# Altium PCB HIVE_BOARD.PcbDoc (part 7 of 9)
Units mm, origin at the board's own origin, x right, y up, seen from the top; angles counter-clockwise.
Board outline 110 x 110 mm, 8 copper layers (Top, GND_1, Signal_1, GND_2, PWR, Signal_2, GND_3, Bottom), stack 1.6 mm thick; 674 components, 474 nets, 2528 pads, 2100 vias.
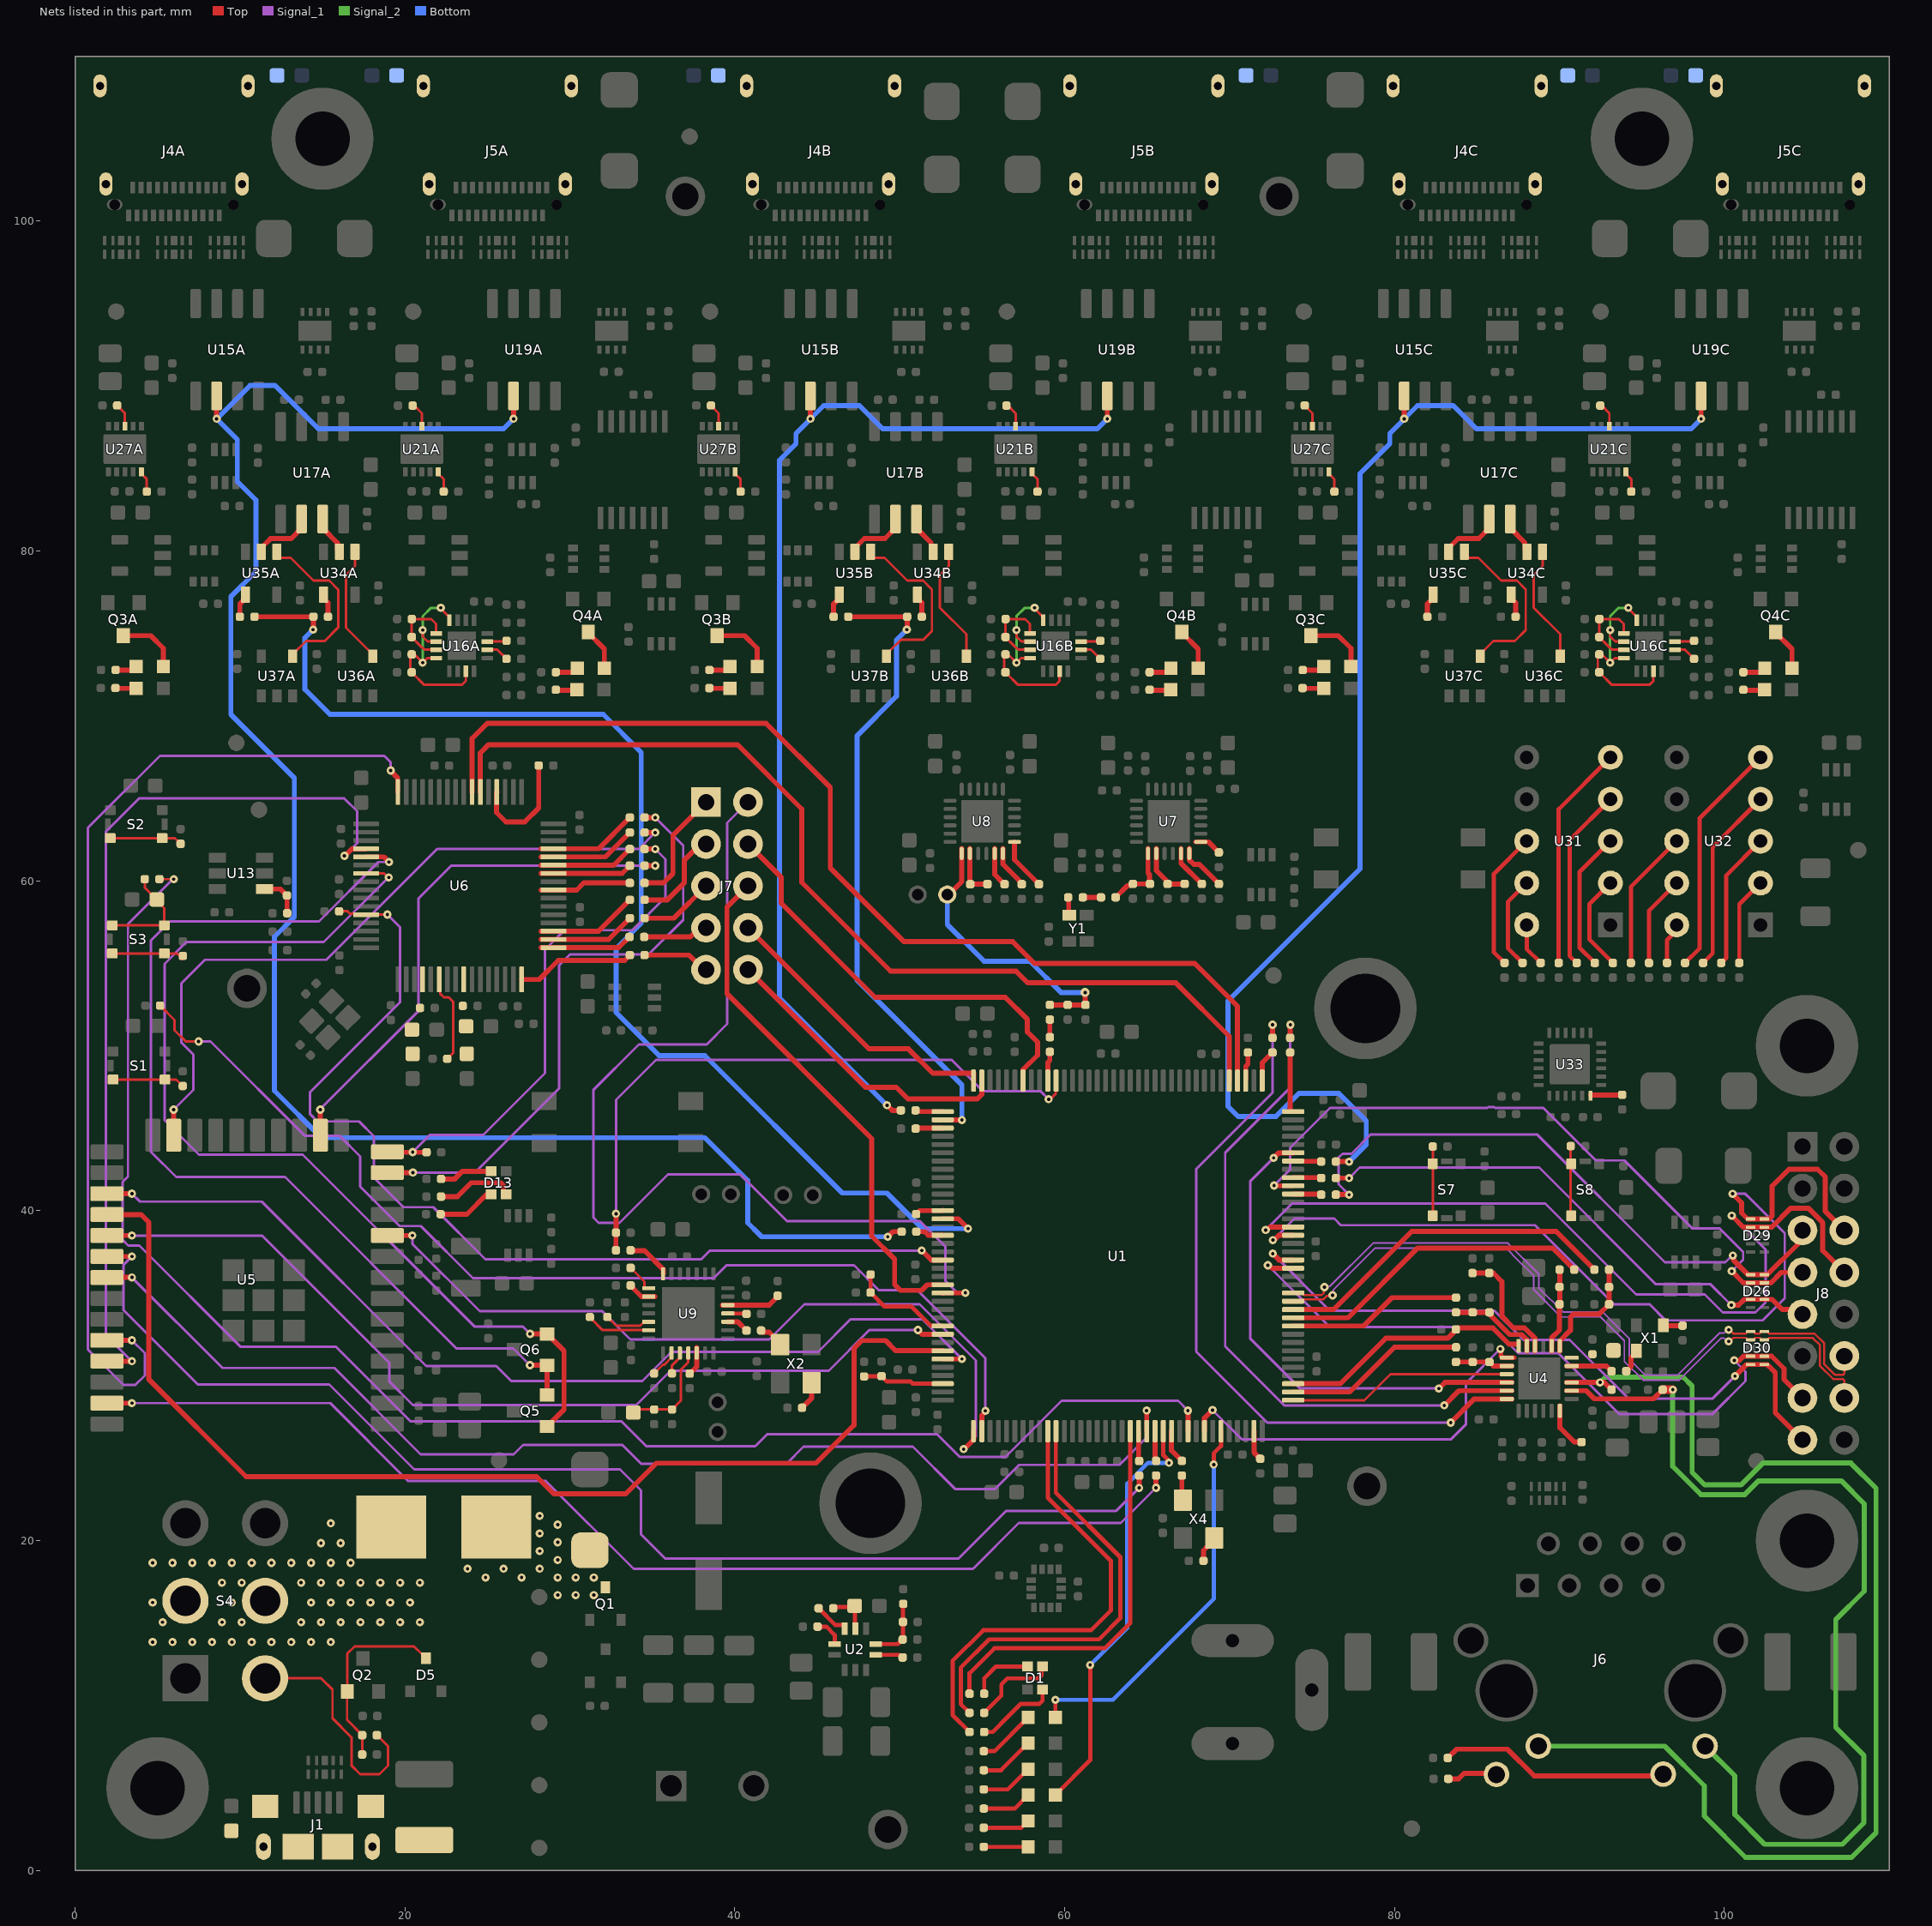
[diagram p13: the nets of this part, all layers, seen from the top]

## Via types
v1: diameter 0.5, hole 0.2, Top to Bottom, tented both sides, 1950 vias
v2: diameter 0.55, hole 0.2, Top to Bottom, tented both sides, 104 vias
v3: diameter 0.5, hole 0.2, Top to Bottom, 41 vias
v4: diameter 0.5, hole 0.2, Top to Bottom, tented bottom, 5 vias

## Nets (pads, with @x,y where several pads share a name; then routed paths per layer and width w, separated by ;. In a path a pad name is that pad's centre, name@x,y a point inside that pad or via, vN(x,y) a via of type N, cw(c..) or ccw(c..) an arc to the next point about the centre after c; other vN are vias at no path point) (continued)
MCU_LED_2: D24.K U1.24 | length 25.8
  Top w0.254: D24.K@59.433,4.577 61.552,6.696 v1@61.552,12.46 ; v1@61.528,12.454 v1@61.541,12.467 ; U1.24@65.976,26.639 65.976,25.184 66.268,24.893 66.268,24.776 v1(66.324,24.719)
  Bottom w0.254: v1(61.545,12.46) 63.795,14.71 63.795,23.457 65.058,24.719 v1(66.324,24.719)
MCU_LED_B: R1.2 U1.10 | length 28
  Top w0.254: R1.2@54.23,8.399 53.202,9.427 53.202,12.707 55.063,14.567 61.598,14.567 62.795,15.765 62.795,18.784 58.979,22.601 58.979,26.637 U1.10@58.976,26.639
MCU_LED_G: R2.2 U1.11 | length 26.8
  Top w0.254: R2.2@54.23,9.56 53.696,10.094 53.696,12.293 55.419,14.016 62.079,14.016 63.373,15.31 63.373,18.992 59.461,22.904 59.461,26.625 U1.11@59.476,26.639
MCU_LED_HB: D25.K U1.31 | length 23.6
  Top w0.254: D25.K@59.436,9.289 v1(59.436,10.351) ; v1(69.037,24.613) 69.037,25.294 69.476,25.733 U1.31@69.476,26.639
  Bottom w0.254: v1(59.436,10.351) 62.926,10.351 69.037,16.462 v1(69.037,24.613)
MCU_LED_R: R3.2 U1.20 | length 23.9
  Top w0.254: R3.2@54.23,10.721 54.23,11.966 55.737,13.473 62.433,13.473 63.976,15.016 U1.20@63.976,26.639
MCU_OSC_EN: R64.2 X4.1 | length 1.7
  Top w0.305: R64.2@68.414,18.776 68.414,19.41 68.666,19.662 69.063,20.06 X4.1@69.063,20.16
MCU_RST#: R8.2 U1.27 | length 97.5
  Top w0.152: R8.2@5.105,60.105 R8.2@5.114,60.105 v1@5.979,60.105
  Top w0.305: U1.27@67.476,26.639 v1@67.476,27.879
  Signal_1 w0.152: v1@5.923,60.105 3.209,57.391 3.209,42.073 2.895,41.758 2.895,38.212 3.217,37.89 3.901,37.89 10.023,31.767 15.805,31.767 20.347,27.226 33.142,27.226 34.637,25.731 41.236,25.731 41.948,26.442 52.269,26.442 53.641,25.07 56.407,25.07 59.815,28.478 66.877,28.478 v1(67.469,27.886)
  other v1: 5.983,60.101
MEZ_ADC1_N: D30.2 D30.9 J8.14 U1.49 | length 43.8
  Top w0.127: U1.49@73.851,34.514 74.382,34.514 74.505,34.637 75.688,34.637 75.881,34.831 76.198,34.831 v1(76.242,34.875) ; v1(100.253,32.078) 100.314,32.078 100.539,32.303 101.289,32.303 101.363,32.228 101.363,32.216 101.4,32.18 D30.2@101.582,32.18 101.765,32.18 101.802,32.216 101.802,32.228 101.876,32.303 102.124,32.303 102.198,32.228 102.198,32.216 102.235,32.18 D30.9@102.417,32.18 102.6,32.18 102.706,32.286 105.361,32.286 105.795,31.851 105.795,30.594 106.597,29.793 107.196,29.793 107.27,29.719 J8.14@107.27,28.65
  Signal_1 w0.102: v1(76.242,34.875) 76.302,34.935 76.302,35.216 78.827,37.741 86.745,37.741 87.493,36.993 88.437,36.049 88.437,35.213 90.087,33.563 92.489,33.563 93.007,33.045 93.931,32.121 93.931,30.87 95.071,29.73 97.269,29.73 99.816,32.277 99.969,32.277 100.168,32.078 v1(100.253,32.078)
MEZ_ADC1_P: D30.1 D30.10 J8.12 U1.50 | length 43.8
  Top w0.127: U1.50@73.851,35.014 74.382,35.014 74.505,34.891 75.582,34.891 75.702,35.011 75.702,35.328 v1(75.745,35.371) ; v1(100.253,32.781) 100.314,32.781 100.539,32.557 101.289,32.557 101.363,32.631 101.363,32.643 101.4,32.68 D30.1@101.582,32.68 101.765,32.68 101.802,32.643 101.802,32.631 101.876,32.557 102.124,32.557 102.198,32.631 102.198,32.643 102.235,32.68 D30.10@102.417,32.68 102.6,32.68 102.637,32.643 102.637,32.631 102.711,32.557 105.449,32.557 106.049,31.956 106.049,30.7 106.702,30.047 107.196,30.047 107.27,30.121 J8.12@107.27,31.19
  Signal_1 w0.102: v1(75.745,35.371) 75.805,35.431 76.086,35.431 78.701,38.046 86.871,38.046 88.741,36.176 88.741,35.34 90.213,33.868 92.616,33.868 93.438,33.045 94.236,32.247 94.236,30.996 95.197,30.035 97.143,30.035 99.689,32.582 99.969,32.582 100.168,32.781 v1(100.253,32.781)
MEZ_I2C_SCL: D30.4 D30.7 J8.13 U1.53 | length 42.3
  Top w0.305: v1(72.319,36.698) 72.385,36.698 72.569,36.514 U1.53@73.851,36.514 ; v1(100.592,30.931) 100.915,30.931 101.163,31.18 D30.4@101.582,31.18 D30.7@102.417,31.18 102.856,31.18 103.61,30.426 103.61,29.77 J8.13@104.73,28.65
  Signal_1 w0.152: v1(72.319,36.698) 76.069,32.949 85.908,32.949 87.497,31.36 89.934,31.36 93.628,27.666 99.265,27.666 101.272,29.674 101.272,30.251 v1(100.592,30.931)
MEZ_I2C_SDA: D30.5 D30.6 J8.15 U1.54 | length 41.3
  Top w0.305: v1(72.612,37.406) 73.001,37.017 73.849,37.017 U1.54@73.851,37.014 ; v1(100.64,29.978) 101.342,30.68 D30.5@101.582,30.68 D30.6@102.417,30.68 102.594,30.68 102.895,30.378 103.085,30.189 103.085,27.755 J8.15@104.73,26.11
  Signal_1 w0.152: v1(72.612,37.406) 76.071,33.947 86.051,33.947 87.819,32.179 90.622,32.179 94.201,28.601 99.263,28.601 v1(100.64,29.978)
MEZ_SPI_MISO: D26.2 D26.9 J8.7 U1.63 | length 42.3
  Top w0.305: v1(72.693,41.532) 72.708,41.517 73.849,41.517 U1.63@73.851,41.514 ; v1(100.44,36.339) 101.147,35.632 D26.2@101.582,35.632 D26.9@102.417,35.632 102.815,35.632 103.453,36.27 J8.7@104.73,36.27
  Signal_1 w0.152: v1(72.693,41.532) 73.662,42.502 73.662,43.821 75.146,45.304 76.08,46.239 85.622,46.239 85.678,46.295 86.032,46.295 86.088,46.239 89.018,46.239 92.205,43.051 93.927,43.051 98.039,38.939 99.694,38.939 101.133,37.5 101.133,37.031 v1(100.44,36.339)
MEZ_SPI_MOSI: D26.4 D26.7 J8.9 R173.2 | length 32.5
  Top w0.305: R173.2@76.441,41.986 v1@77.236,41.986 ; v1(100.416,34.284) 100.863,34.284 101.211,34.632 D26.4@101.582,34.632 D26.7@102.417,34.632 102.889,34.632 103.504,34.016 104.444,34.016 J8.9@104.73,33.73
  Signal_1 w0.152: v1(77.245,41.978) 77.885,42.618 88.766,42.618 95.84,35.544 99.156,35.544 v1(100.416,34.284)
MEZ_SPI_SCK: D26.1 D26.10 J8.5 R172.2 | length 37.4
  Top w0.305: R172.2@76.441,40.98 v1@77.236,40.98 ; v1(100.508,37.287) 100.555,37.24 100.555,37 101.423,36.132 D26.1@101.582,36.132 D26.10@102.417,36.132 102.603,36.132 104.444,37.972 104.444,38.524 J8.5@104.73,38.81
  Signal_1 w0.152: v1(77.245,40.971) 76.611,41.605 76.611,43.228 76.838,43.456 77.386,43.456 78.562,44.632 88.631,44.632 96.383,36.879 100.057,36.879 100.464,37.287 v1(100.508,37.287)
MEZ_UART_Rx: D29.1 D29.10 J8.6 U1.57 | length 57
  Top w0.305: v1(72.622,38.221) 72.688,38.221 72.979,38.512 73.849,38.512 U1.57@73.851,38.514 ; v1(100.498,41.028) 101.045,40.482 101.045,39.865 101.409,39.5 D29.1@101.582,39.5 D29.10@102.417,39.5 102.711,39.5 102.89,39.679 102.89,41.497 103.913,42.52 105.643,42.52 106.116,42.047 106.116,39.964 J8.6@107.27,38.81
  Signal_1 w0.152: v1(72.622,38.221) 73.923,39.522 76.341,39.522 76.736,39.127 88.514,39.127 93.3,34.341 95.446,34.341 96.432,33.355 102.313,33.355 103.563,34.605 103.652,34.694 103.652,38.638 101.556,40.734 101.262,41.028 v1(100.498,41.028)
MEZ_UART_Tx: D29.2 D29.9 J8.8 U1.58 | length 52
  Top w0.305: v1(72.185,38.835) 72.252,38.835 72.431,39.014 U1.58@73.851,39.014 ; v1(100.44,39.707) 101.147,39 D29.2@101.582,39 D29.9@102.417,39 102.856,39 104.015,40.16 105.076,40.16 105.961,39.275 105.961,37.579 J8.8@107.27,36.27
  Signal_1 w0.152: v1(72.185,38.835) 73.784,40.433 89.137,40.433 94.645,34.925 98.804,34.925 99.899,33.831 101.876,33.831 102.498,34.452 102.498,37.65 v1(100.44,39.707)
MODE0: R18.1 R53.1 R157.2 U4.8 | length 5.1
  Top w0.305: U4.8@89.519,31.496 89.519,32.293 89.999,32.773 R53.1@89.999,34.33 ; R53.1@90.013,34.33 90.013,35.384 R18.1@90.013,36.431
MODE1: R19.1 R58.1 R158.2 U4.7 | length 7.1
  Top w0.305: U4.7@90.019,31.496 90.019,32.107 90.663,32.751 90.663,33.553 90.841,33.731 92.403,33.731 92.901,34.229 92.905,34.229 R58.1@93.006,34.33 R158.2@93.004,35.379 93.004,36.429 R19.1@93.002,36.431
MODE2: R47.1 R60.1 R159.2 U4.11 | length 5.7
  Top w0.305: R47.1@83.721,33.845 R47.1@83.721,33.845 R159.2@85.752,33.843 R159.2@85.752,33.843 85.854,33.741 85.854,33.628 86.983,32.499 87.709,32.499 88.017,32.191 88.017,31.812 U4.11@88.019,31.809 U4.11@88.019,31.496
NetC4_1: C4.1 R8.1 S3.3 S3.4 | length 6.3
  Top w0.152: S3.4@2.258,57.305 S3.3@5.408,57.305 5.408,58.343 C4.1@4.992,58.759 ; R8.1@4.225,60.105 4.225,59.592 4.946,58.871 C4.1@4.959,58.871
NetC26_1: C26.1 R15.1 R26.2 U2.7 | length 3.9
  Top w0.254: U2.7@48.554,13.731 49.885,13.731 50.162,14.008 R15.1@50.176,14.008 50.194,14.026 50.194,16.152 R26.2@50.212,16.17
NetC37_1: C37.1 R24.2 U2.9 | length 2.8
  Top w0.254: R24.2@45.968,15.9 46.044,15.976 47.187,15.976 C37.1@47.263,16.052 47.283,16.032 47.283,14.676 U2.9@47.304,14.656
NetC47_2: C47.2 U9.9 | length 1.8
  Top w0.305: C47.2@33.623,35.473 33.724,35.372 33.767,35.372 34.341,34.798 U9.9@35.155,34.798
NetC48_2: C48.2 U9.25 | length 1.1
  Top w0.254: U9.25@39.579,33.778 39.85,33.778 39.855,33.773 40.68,33.773 C48.2@40.707,33.746
NetC54_2: C54.2 C56.2 U4.6
NetC80_1: C80.1 C81.2 L4.2 U6.4
NetC82_1: C82.1 C83.2 L6.2 U6.9
NetC86_1: C86.1 R7.2 R20.1 U9.18 | length 6.3
  Top w0.152: C86.1@33.844,27.765 34.032,27.952 R7.2@36.191,27.952 36.735,28.496 36.735,30.369 37.179,30.813 U9.18@37.179,31.377
NetC94_1: C94.1 R81.1 R84.2 U7.7 | length 4.5
  Top w0.305: C94.1@63.039,59.029 C94.1@63.09,58.978 ; C94.1@63.09,59.003 63.802,59.715 64.033,59.715 R81.1@64.135,59.817 R81.1@64.135,59.817 R84.2@65.171,59.819 ; U7.7@65.054,61.965 U7.7@65.054,61.663 65.054,60.473 65.136,60.391 R84.2@65.136,59.993
NetC94_2: C94.2 R82.1 | length 1.1
  Top w0.305: R82.1@61.099,59.003 61.112,58.991 62.188,58.991 C94.2@62.201,58.978
NetD1_1: D1.1 R1.1 | length 5
  Top w0.254: R1.1@55.119,8.399 55.633,8.399 56.556,9.322 57.345,10.111 58.477,10.111 58.656,10.289 D1.1@58.656,10.973
NetD1_2: D1.2 R2.1 | length 5.4
  Top w0.254: R2.1@55.119,9.56 56.159,10.6 56.159,11.287 56.52,11.648 58.409,11.648 58.583,11.822 58.583,12.301 D1.2@58.656,12.373
NetD1_4: D1.4 R3.1 | length 3.9
  Top w0.254: R3.1@55.119,10.721 55.119,11.657 55.836,12.373 D1.4@57.756,12.373
NetD3_1: D3.1 F1.2 Q1.3
  other v1: 29.263,16.697 30.356,16.697 31.45,16.697 24.888,17.765 27.076,17.765 29.263,17.765 30.356,17.765 31.45,17.765 23.795,18.299 25.982,18.299 28.169,18.299 29.263,18.833 28.169,19.367 29.263,19.9 28.169,20.434 29.263,20.968 28.169,21.502
NetD4_A: D4.A R11.2 | length 2.7
  Top w0.254: R11.2@55.095,1.435 D4.A@57.783,1.435
NetD5_3: D5.3 Q2.1 R13.1 R14.2 | length 11.7
  Top w0.152: R14.2@17.405,7.143 17.406,7.144 17.406,8.218 17.407,8.219 16.491,9.135 16.491,10.848 Q2.1@16.505,10.861 16.505,13.152 16.942,13.589 20.551,13.589 20.999,13.142 21.049,13.142 21.272,12.918 D5.3@21.272,12.868
NetD6_A: D6.A R25.1 | length 2.9
  Top w0.254: R25.1@55.093,2.596 57.372,2.596 D6.A@57.783,3.006
NetD13_1: D13.1 R40.1 | length 3
  Top w0.305: R40.1@22.192,41.928 23.023,41.928 23.49,42.395 D13.1@24.982,42.395
NetD13_2: D13.2 R46.1 | length 3.3
  Top w0.305: R46.1@22.166,39.792 23.754,39.792 24.957,40.995 D13.2@24.982,40.995
NetD13_4: D13.4 R63.1 | length 4.8
  Top w0.305: R63.1@22.192,40.86 23.183,40.86 24.022,41.699 25.803,41.699 25.981,41.521 25.981,41.154 D13.4@26.129,41.007
NetD14A_A: D14A.A R115A.1 | length 1.4
  Top w0.305: R115A.1@2.351,71.674 3.697,71.674 D14A.A@3.705,71.666 ; R115A.1@2.447,71.697 R115A.1@2.455,71.689
NetD14B_A: D14B.A R115B.1 | length 1.4
  Top w0.305: R115B.1@38.351,71.674 39.697,71.674 D14B.A@39.705,71.666 ; R115B.1@38.453,71.689 R115B.1@38.461,71.681
NetD14C_A: D14C.A R115C.1 | length 1.4
  Top w0.305: R115C.1@74.351,71.674 75.697,71.674 D14C.A@75.705,71.666 ; R115C.1@74.421,71.688 R115C.1@74.428,71.68
NetD17A_A: D17A.A R77A.1 | length 1.4
  Top w0.305: R77A.1@2.356,72.778 3.484,72.778 D17A.A@3.705,73
NetD17A_K: D17A.K Q3A.3 | length 3.8
  Top w0.305: Q3A.3@2.933,74.87 4.585,74.87 5.355,74.1 D17A.K@5.355,73
NetD17B_A: D17B.A R77B.1 | length 1.4
  Top w0.305: R77B.1@38.356,72.778 39.484,72.778 D17B.A@39.705,73
NetD17B_K: D17B.K Q3B.3 | length 3.8
  Top w0.305: Q3B.3@38.933,74.87 40.585,74.87 41.355,74.1 D17B.K@41.355,73
NetD17C_A: D17C.A R77C.1 | length 1.4
  Top w0.305: R77C.1@74.356,72.778 75.484,72.778 D17C.A@75.705,73
NetD17C_K: D17C.K Q3C.3 | length 3.8
  Top w0.305: Q3C.3@74.933,74.87 76.585,74.87 77.355,74.1 D17C.K@77.355,73
NetD19A_A: D19A.A R110A.1 | length 1.4
  Top w0.305: R110A.1@29.148,72.651 30.276,72.651 D19A.A@30.497,72.873
NetD19A_K: D19A.K Q4A.3 | length 2.6
  Top w0.305: Q4A.3@31.112,75.091 31.112,75.041 32.092,74.061 D19A.K@32.092,72.898
NetD19B_A: D19B.A R110B.1 | length 1.4
  Top w0.305: R110B.1@65.148,72.651 66.276,72.651 D19B.A@66.497,72.873
NetD19B_K: D19B.K Q4B.3 | length 2.6
  Top w0.305: Q4B.3@67.112,75.091 67.112,75.041 68.092,74.061 D19B.K@68.092,72.898
NetD19C_A: D19C.A R110C.1 | length 1.4
  Top w0.305: R110C.1@101.148,72.651 102.276,72.651 D19C.A@102.497,72.873
NetD19C_K: D19C.K Q4C.3 | length 2.6
  Top w0.305: Q4C.3@103.112,75.091 103.112,75.041 104.092,74.061 D19C.K@104.092,72.898
NetD20A_A: D20A.A R123A.1 | length 1.4
  Top w0.305: R123A.1@29.135,71.555 29.143,71.547 30.489,71.547 D20A.A@30.497,71.539
NetD20B_A: D20B.A R123B.1 | length 1.4
  Top w0.305: R123B.1@65.135,71.555 65.143,71.547 66.489,71.547 D20B.A@66.497,71.539
NetD20C_A: D20C.A R123C.1 | length 1.4
  Top w0.305: R123C.1@101.135,71.555 101.143,71.547 102.489,71.547 D20C.A@102.497,71.539
NetD22_A: D22.A R5.2 | length 3.4
  Top w0.254: R5.2@55.095,6.078 56.142,6.078 D22.A@57.783,7.719
NetD23_A: D23.A R23.2 | length 3.2
  Top w0.254: R23.2@55.095,4.917 56.552,4.917 D23.A@57.783,6.148
NetD24_A: D24.A R33.2 | length 3
  Top w0.254: R33.2@55.095,3.757 56.962,3.757 D24.A@57.783,4.577
NetD25_A: D25.A R129.2 | length 3.5
  Top w0.254: R129.2@55.095,7.239 55.736,7.239 D25.A@57.786,9.289
NetF1_1: F1.1 S4.2 S4.5
  other v1: 4.706,13.852 5.906,13.852 7.106,13.852 8.306,13.852 9.506,13.852 10.706,13.852 11.906,13.852 13.106,13.852 14.306,13.852 15.506,13.852 5.306,15.052 8.906,15.052 10.106,15.052 13.706,15.052 14.906,15.052 16.106,15.052 17.306,15.052 18.506,15.052 19.706,15.052 20.906,15.052 4.706,16.252 9.506,16.252 14.306,16.252 15.506,16.252 16.706,16.252 17.906,16.252 19.106,16.252 20.306,16.252 8.906,17.452 10.106,17.452 13.706,17.452 14.906,17.452 16.106,17.452 17.306,17.452 18.506,17.452 19.706,17.452 20.906,17.452 4.706,18.652 5.906,18.652 7.106,18.652 8.306,18.652 9.506,18.652 10.706,18.652 11.906,18.652 13.106,18.652 14.306,18.652 15.506,18.652 16.706,18.652 14.906,19.852 16.106,19.852 15.506,21.052
NetJ4A_1: J4A.1 J4A.2 J4A.3 J4A.4 R154A.2
NetJ4B_1: J4B.1 J4B.2 J4B.3 J4B.4 R154B.2
NetJ4C_1: J4C.1 J4C.2 J4C.3 J4C.4 R154C.2
NetJ5A_1: J5A.1 J5A.2 J5A.3 J5A.4 R155A.2
NetJ5B_1: J5B.1 J5B.2 J5B.3 J5B.4 R155B.2
NetJ5C_1: J5C.1 J5C.2 J5C.3 J5C.4 R155C.2
NetJ6_9: J6.9 R51.2 | length 3.1
  Top w0.305: R51.2@83.254,5.56 83.881,5.56 84.218,5.897 86.101,5.897 J6.9@86.175,5.824
NetJ6_11: J6.11 R49.2 | length 14
  Top w0.305: R49.2@83.223,6.824 83.761,7.362 86.842,7.362 88.46,5.744 96.185,5.744 J6.11@96.285,5.844
NetJ7_1: J7.1 R79.1 | length 7.1
  Top w0.305: R79.1@34.524,59.879 35.68,59.879 36.247,60.447 36.247,62.765 J7.1@38.259,64.777
NetJ7_2: J7.2 U1.131 | length 61
  Top w0.305: U1.131@52.599,35.012 U1.131@52.601,35.014 52.604,35.017 53.974,35.017 v1(53.98,35.023)
  Signal_1 w0.152: J7.2@40.799,64.777 39.541,63.519 39.541,51.331 38.298,50.088 34.183,50.088 31.415,47.32 31.415,39.6 31.745,39.271 33.016,39.271 35.953,42.207 40.333,42.207 43.175,39.365 51.228,39.365 52.761,37.833 52.761,35.759 53.476,35.043 53.96,35.043 v1(53.98,35.023)
NetJ7_3: J7.3 R54.1 | length 5.9
  Top w0.305: R54.1@34.528,58.851 35.906,58.851 36.929,59.874 36.929,61.252 37.914,62.237 J7.3@38.259,62.237
NetJ7_4: J7.4 U1.102 | length 26.6
  Top w0.305: J7.4@40.799,62.237 42.822,60.214 42.822,58.631 48.508,52.945 56.395,52.945 57.742,51.598 57.742,50.839 58.353,50.228 58.353,49.438 57.476,48.561 U1.102@57.476,47.889
NetJ7_5: J7.5 R37.1 | length 4.5
  Top w0.305: R37.1@34.528,57.741 36.303,57.741 J7.5@38.259,59.697
NetJ7_6: J7.6 U1.130 | length 32.1
  Top w0.305: J7.6@40.799,59.697 39.522,58.42 39.522,53.156 48.299,44.379 48.299,38.462 49.689,37.072 49.689,35.528 50.044,35.173 51.332,35.173 51.671,35.512 52.599,35.512 U1.130@52.601,35.514
NetJ7_7: J7.7 R32.1 | length 4
  Top w0.305: R32.1@34.503,56.601 37.299,56.601 37.854,57.157 J7.7@38.259,57.157
NetJ7_8: J7.8 U1.108 | length 17.8
  Top w0.305: J7.8@40.799,57.157 48.141,49.814 50.525,49.814 52.002,48.337 54.474,48.337 54.476,48.334 U1.108@54.476,47.889
NetJ7_9: J7.9 R31.1 | length 4.1
  Top w0.305: R31.1@34.528,55.502 37.224,55.502 38.11,54.617 J7.9@38.259,54.617
NetJ7_10: J7.10 U1.107 | length 18.4
  Top w0.305: J7.10@40.799,54.617 44.093,51.323 47.925,47.491 49.781,47.491 50.494,46.778 54.698,46.778 54.974,47.054 54.974,47.887 U1.107@54.976,47.889
NetQ5_1: Q5.1 Q6.2 U6.55 | length 61.8
  Top w0.152: U6.55@17.641,60.452 18.731,60.452 18.974,60.21 v1(19.02,60.21)
  Top w0.305: v1@27.592,32.529 Q6.2@28.623,32.529 28.673,32.529 28.921,32.281 28.921,32.231 29.649,31.503 29.649,27.948 28.921,27.22 28.921,27.17 28.673,26.923 Q5.1@28.623,26.923
  Signal_1 w0.152: v1@18.997,60.21 15.075,56.289 6.749,56.289 5.427,54.966 5.427,45.482 7.508,43.4 13.801,43.4 24.214,32.987 27.134,32.987 v1(27.587,32.534)
NetQ5_2: Q5.2 Q6.1 U6.53 | length 61.9
  Top w0.305: U6.53@17.641,61.452 18.723,61.452 v1(19.032,61.143) ; v1(27.582,30.638) 27.587,30.634 28.619,30.634 Q6.1@28.623,30.629 Q5.2@28.623,28.823
  Signal_1 w0.152: v1(19.032,61.143) 18.387,61.143 14.791,57.547 5.764,57.547 4.59,56.372 4.59,43.588 6.134,42.044 12.731,42.044 23.122,31.653 26.568,31.653 v1(27.582,30.638)
NetR4_2: R4.2 U9.17 | length 1.4
  Top w0.152: R4.2@36.191,30.141 36.191,30.623 36.406,30.838 ; 36.406,30.838 36.671,31.102 U9.17@36.671,31.377
NetR6_2: R6.2 U9.13 | length 3.9
  Top w0.152: R6.2@31.215,33.536 31.989,32.762 U9.13@34.778,32.762
NetR9_2: R9.2 S3.1 S3.2 | length 4.4
  Top w0.152: S3.2@2.258,55.605 S3.1@5.408,55.605 6.182,55.605 R9.2@6.523,55.264
NetR13_2: R13.2 S4.4 | length 14.2
  Top w0.152: S4.4@11.522,11.653 14.923,11.653 15.609,10.968 15.609,9.228 16.755,8.081 16.755,6.369 17.282,5.842 18.456,5.842 18.978,6.364 18.978,7.537 R13.2@18.296,8.219
NetR16_1: R16.1 U9.7 | length 2.7
  Top w0.305: R16.1@33.671,37.582 34.526,37.582 35.655,36.453 U9.7@35.655,36.178
NetR16_2: R16.2 R17.1 U1.98 | length 38.7
  Top w0.152: v1(59.03,46.761) 59.123,46.761 59.464,47.102 59.464,47.877 U1.98@59.476,47.889
  Top w0.305: R16.2@32.782,37.582 32.789,37.588 32.789,38.667 R17.1@32.795,38.674 32.797,38.676 32.797,39.821 v1(32.799,39.823)
  Signal_1 w0.152: v1(32.799,39.823) 32.799,46.728 35.216,49.145 53.148,49.145 55.032,47.26 58.531,47.26 v1(59.03,46.761)
NetR18_2: R18.2 U1.47 | length 19.3
  Top w0.305: U1.47@73.851,33.514 77.18,33.514 81.408,37.743 89.581,37.743 R18.2@90.892,36.431
NetR19_2: R19.2 U1.48 | length 21.2
  Top w0.305: U1.48@73.851,34.014 76.302,34.014 81.036,38.749 89.796,38.749 R19.2@92.113,36.431
NetR21_1: R21.1 U2.1 | length 1.8
  Top w0.254: R21.1@45.018,14.787 45.552,14.787 46.054,14.285 U2.1@46.054,13.731
NetR22_2: R22.2 U2.6 | length 1.7
  Top w0.254: U2.6@48.554,13.081 49.996,13.081 50.162,12.915 R22.2@50.176,12.915
NetR24_1: R24.1 U2.10 | length 2.2
  Top w0.254: R24.1@45.079,15.9 46.098,14.881 46.606,14.881 46.654,14.833 U2.10@46.654,14.656
NetR29_2: R29.2 X2.1 | length 1.8
  Top w0.305: R29.2@44.079,28.058 44.651,28.63 X2.1@44.651,29.576
NetR31_2: R31.2 U6.16 | length 7.2
  Top w0.305: U6.16@27.071,54.022 28.139,54.022 29.299,55.183 33.319,55.183 R31.2@33.639,55.502
NetR32_2: R32.2 U6.17 | length 5.6
  Top w0.305: U6.17@28.242,55.952 U6.17@28.989,55.952 ; U6.17@29.001,55.952 32.965,55.952 R32.2@33.614,56.601
NetR34_1: R34.1 U9.16 | length 1.7
  Top w0.152: R34.1@35.109,30.139 35.642,30.672 35.732,30.672 36.163,31.102 U9.16@36.163,31.377
NetR35_2: R35.2 U9.8 | length 1.8